# Altium PCB TC264MCU_V4.PcbDoc
Units mil, origin at the board's own origin, x right, y up, seen from the top; angles counter-clockwise.
Board outline 4645.68 x 3342.52 mil, 2 copper layers (Top Layer, Bottom Layer); 80 components, 101 nets, 381 pads, 52 vias.
Unrouted connection lines stored in the file: 62.
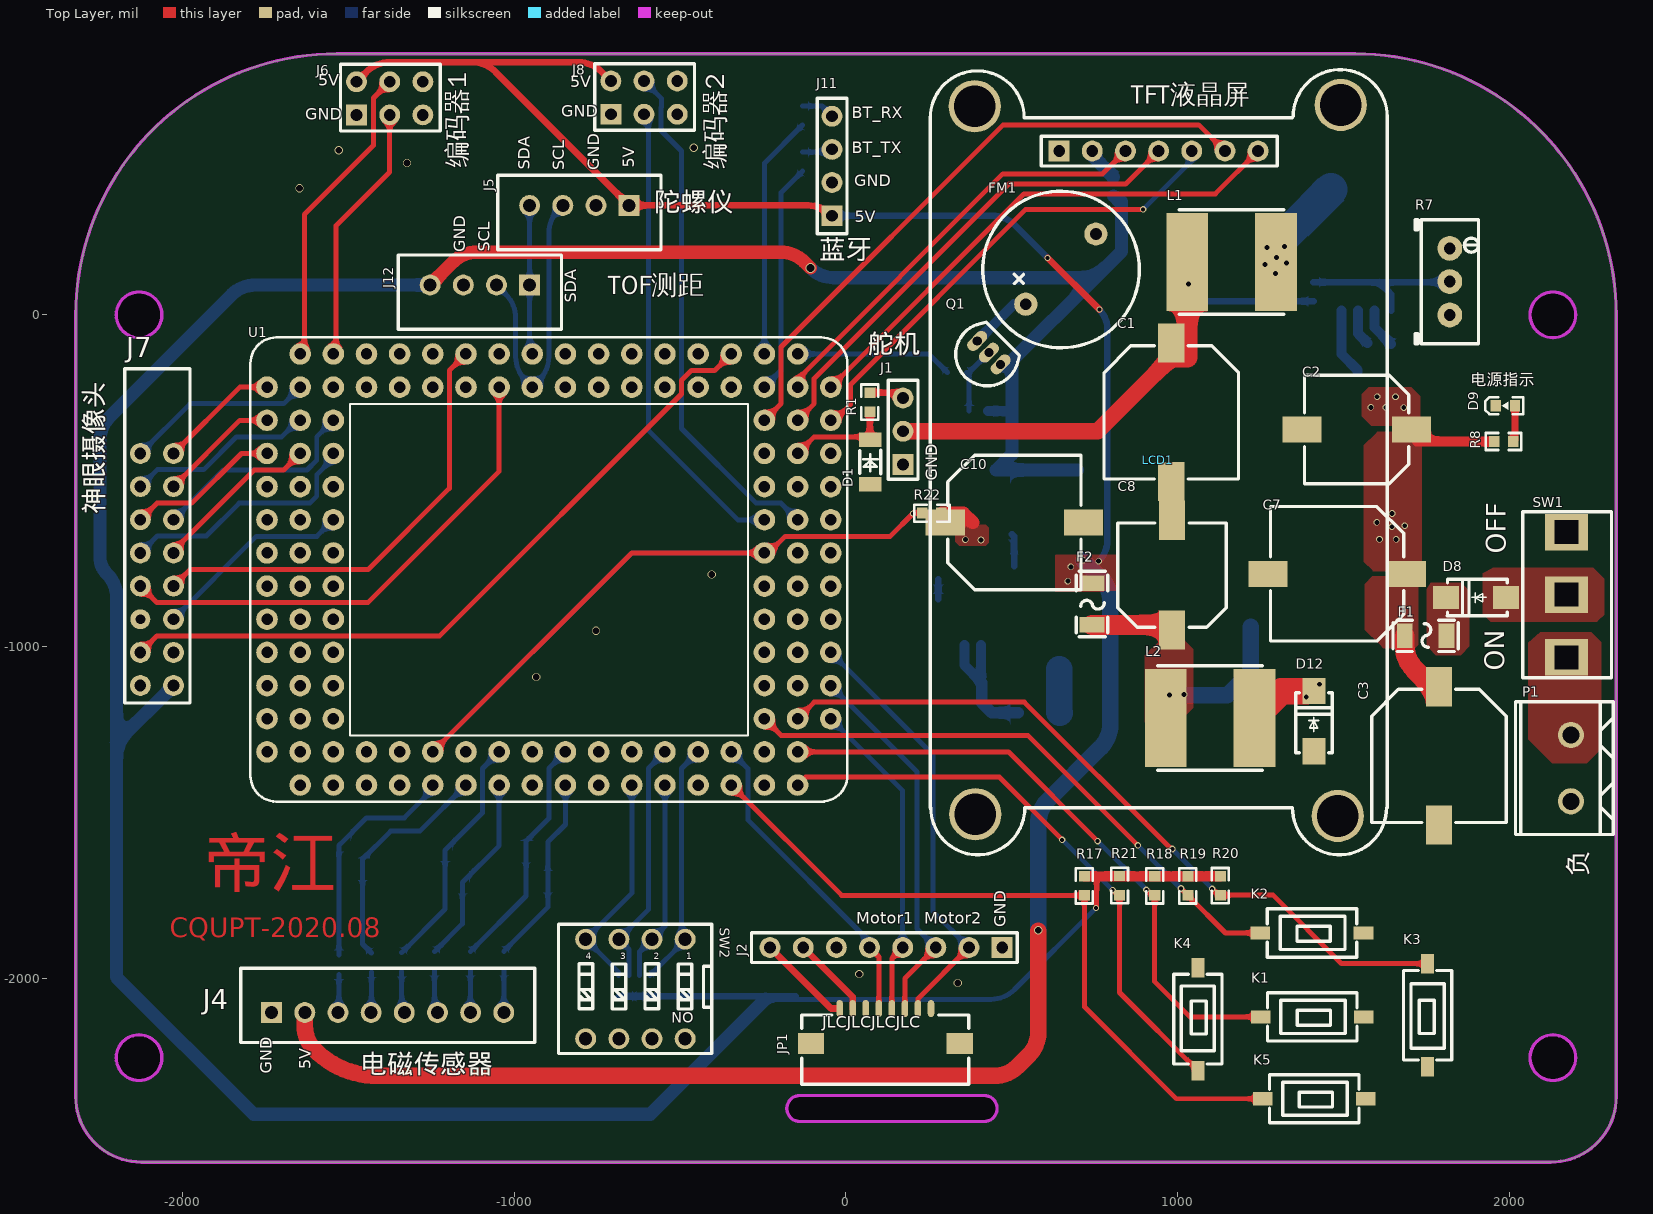
[diagram p0: Top Layer view]
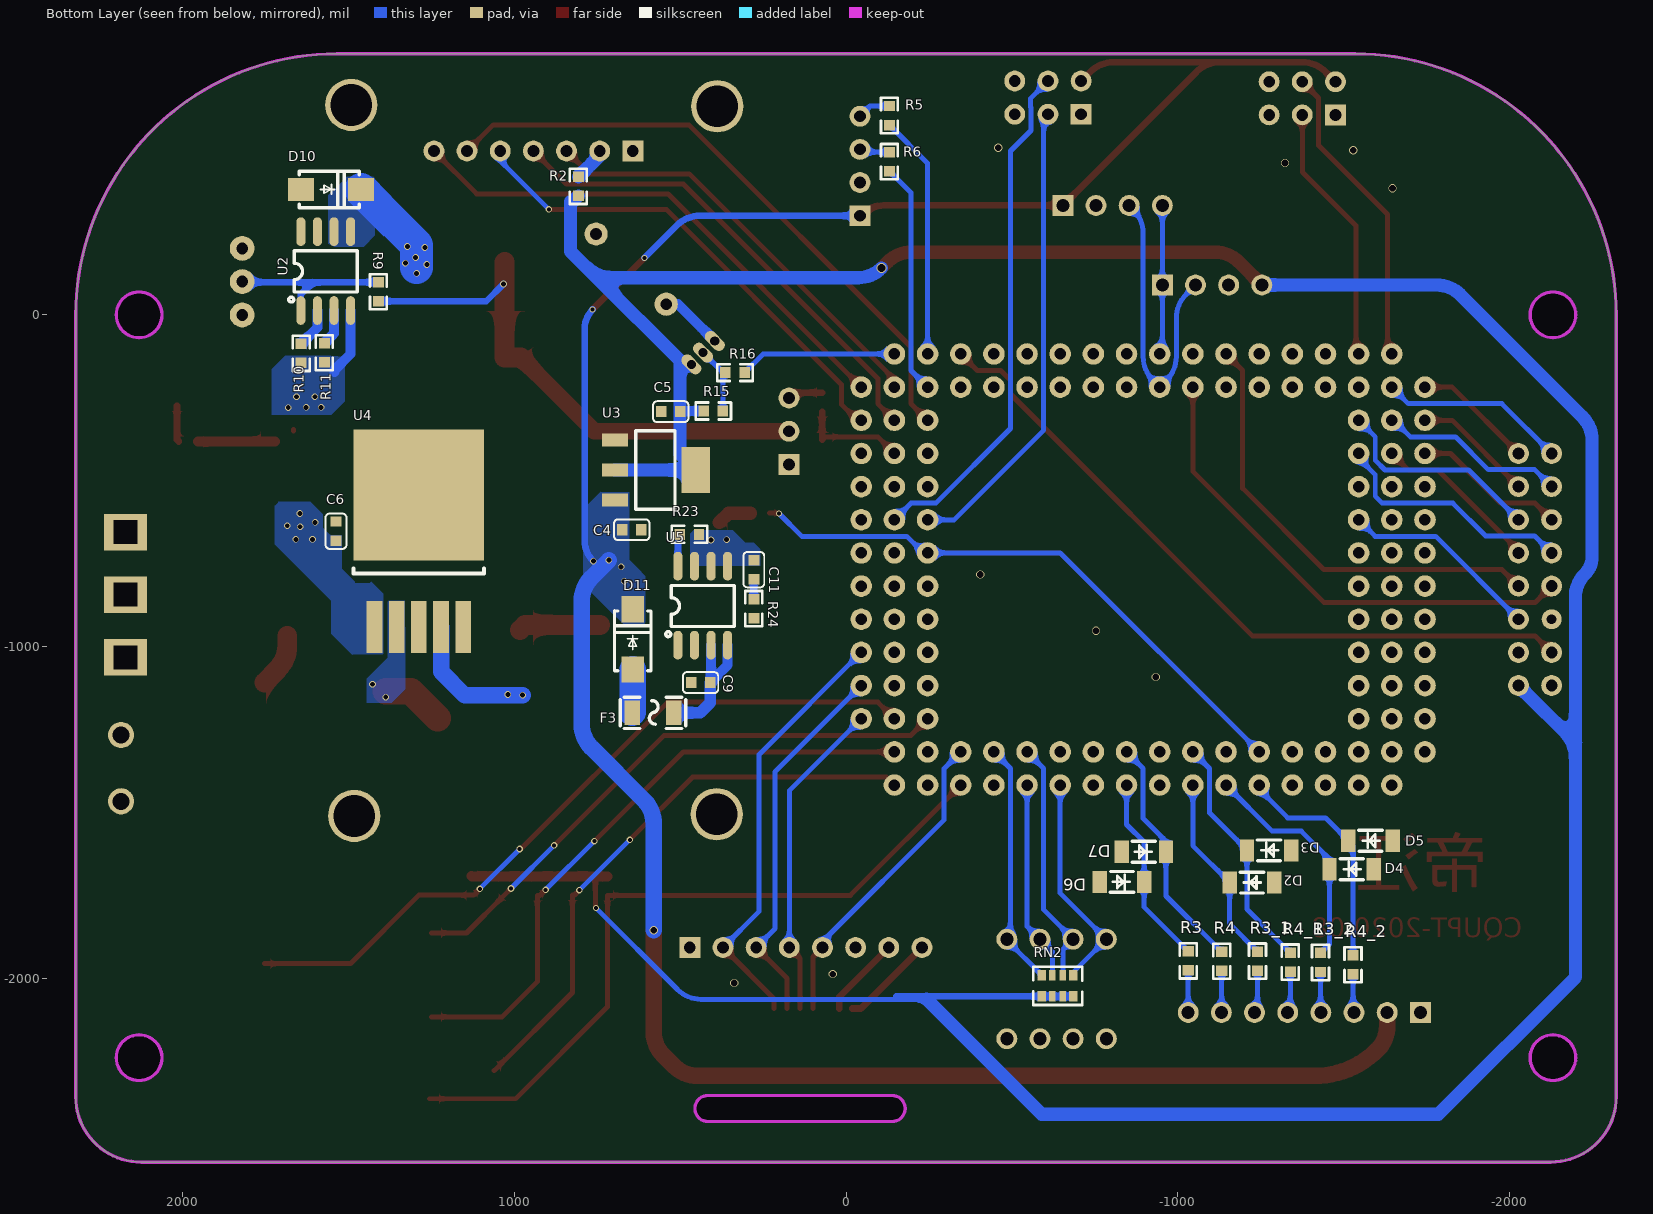
[diagram p1: Bottom Layer view, seen from below]
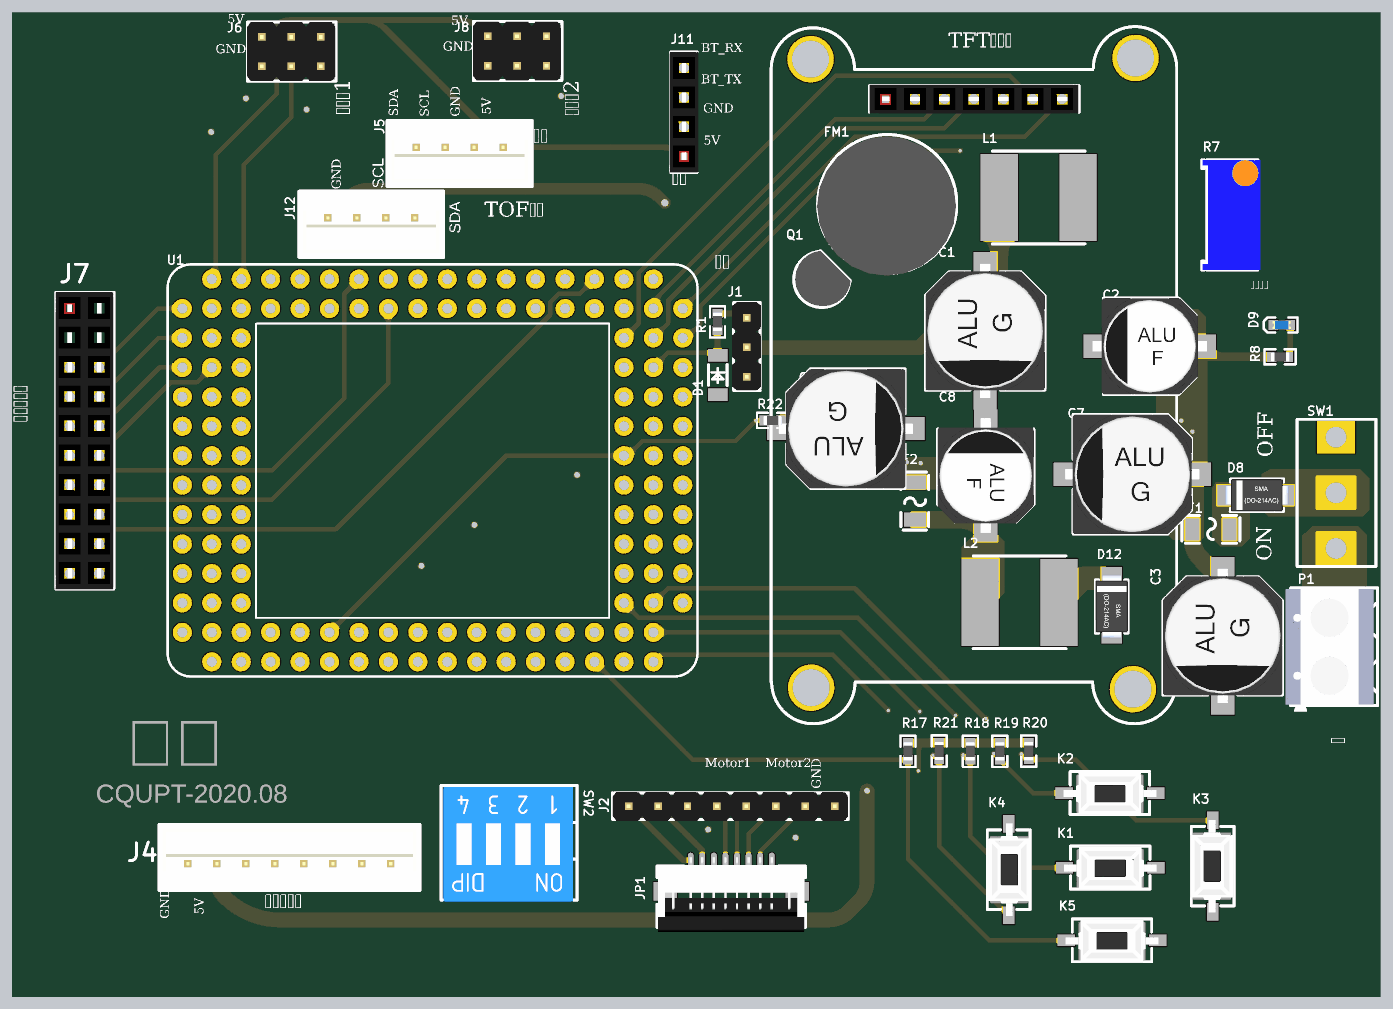
[diagram p2: 3D render of the assembled board from above, using the file's embedded part models]
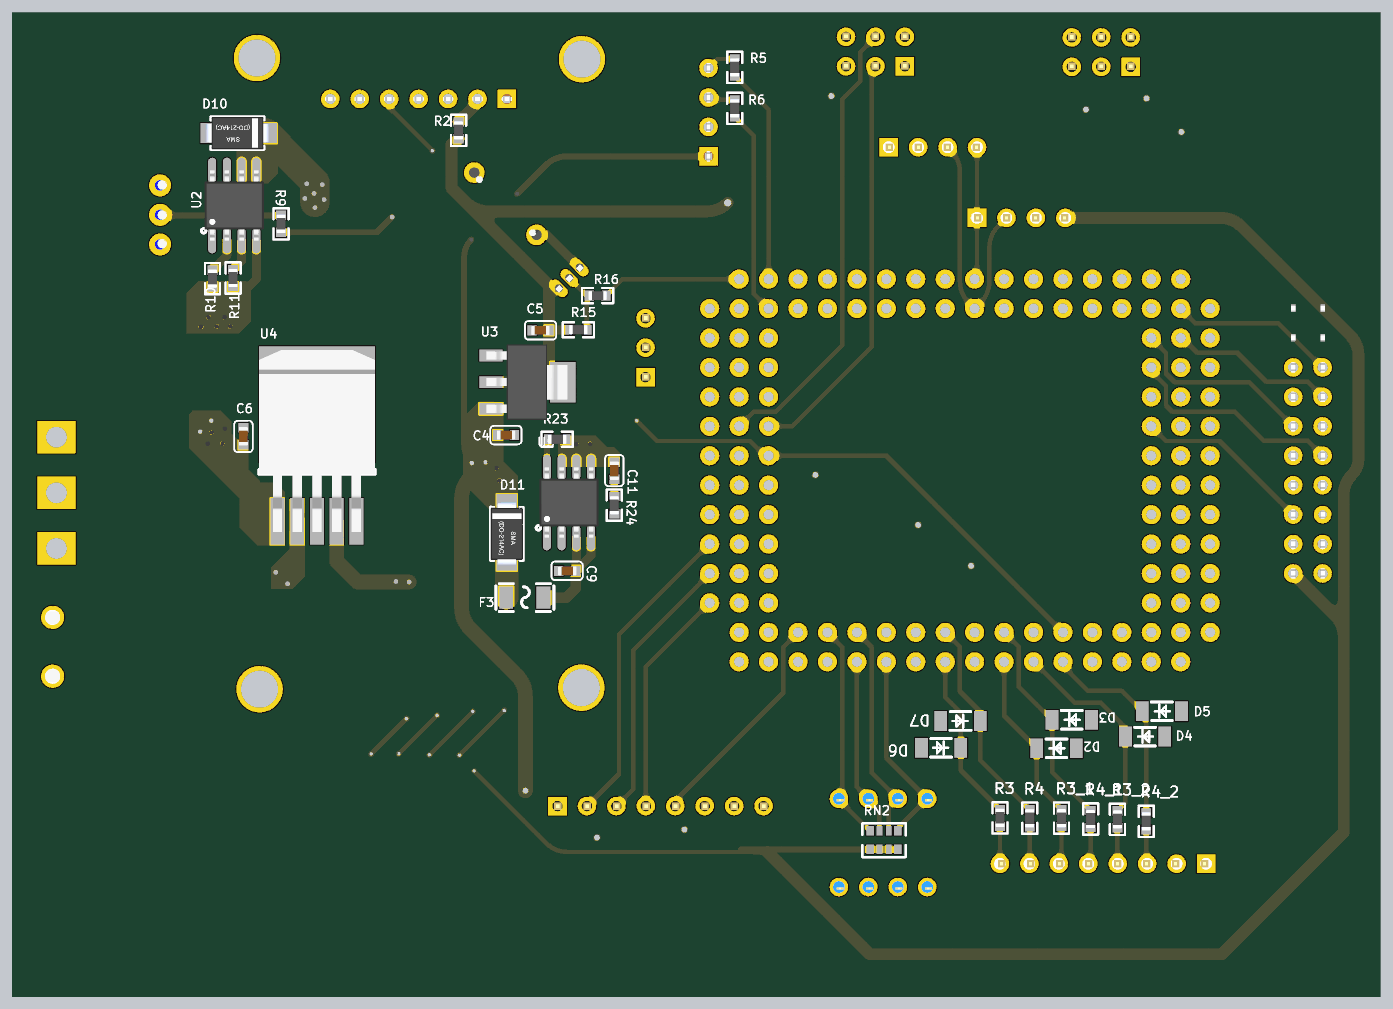
[diagram p3: 3D render of the assembled board from below, using the file's embedded part models]

## Layer stack, top to bottom
Top Solder: solder mask 0.4, Solder Resist, Dk 3.5
Top Layer: signal copper 1.4
Dielectric 1: dielectric 12.6, FR-4, Dk 4.8
Bottom Layer: signal copper 1.4
Bottom Solder: solder mask 0.4, Solder Resist, Dk 3.5

## Board outline
-2322.83,-2358 ccw(c-2125.98,-2358) -2125.98,-2554.85 -2125.98,-2555.12 2126,-2555.12 ccw(c2126,-2358.27) 2322.85,-2358.27 2322.83,-2358.27 2322.83,0 ccw(c1535.43,0) 1535.43,787.4 -1535.43,787.4 ccw(c-1535.43,0) -2322.83,0
cut-out: -139,-2432.74 416.37,-2432.74 ccw(c416.37,-2393.37) 416.37,-2354 -139,-2354 ccw(c-139,-2393.37)
cut-out: 2062.99,0 ccw(c2131.89,0) 2131.89,-68.9 ccw(c2131.89,0) 2200.79,0 ccw(c2131.89,0) 2131.89,68.9 ccw(c2131.89,0)
cut-out: 2062.99,-2240.16 ccw(c2131.89,-2240.16) 2131.89,-2309.06 ccw(c2131.89,-2240.16) 2200.79,-2240.16 ccw(c2131.89,-2240.16) 2131.89,-2171.26 ccw(c2131.89,-2240.16)
cut-out: -2200.79,-2240.16 ccw(c-2131.89,-2240.16) -2131.89,-2309.06 ccw(c-2131.89,-2240.16) -2062.99,-2240.16 ccw(c-2131.89,-2240.16) -2131.89,-2171.26 ccw(c-2131.89,-2240.16)
cut-out: -2200.79,0 ccw(c-2131.89,0) -2131.89,-68.9 ccw(c-2131.89,0) -2062.99,0 ccw(c-2131.89,0) -2131.89,68.9 ccw(c-2131.89,0)

## Design rules (kind name [scope] priority, off if disabled: settings)
Clearance [All] p1: gap=10
PolygonConnect [All] p1: connectstyle=Relief reliefconductorwidth=10 reliefentries=4 polygonreliefangle="90 Angle" airgapwidth=10
RoutingVias [All] p1: holewidth=28 width=50 viastyle="Through Hole" minholewidth=28 minwidth=50 maxholewidth=28 maxwidth=50
SolderMaskExpansion [All] p1: expansion=4
Width [All] p1: maxlimit=500 minlimit=10 preferedwidth=20
30 further rules are at their usual default settings.

## Classes and differential pairs
component class TC264MCU: C1 C2 C3 C4 C5 C6 C7 C8 C9 C10 C11 D1 D2 D3 D4 D5 D7 D8 D9 D10 D11 D12 F1 F2 F3 FM1 J1 J2 J4 J5 J6 J8 J11 JP1 K1 K2 K3 K4 K5 L1 L2 LCD1 P1 Q1 R1 R2 R5 R6 R7 R8 R9 R10 R11 R15 R16 R17 R18 R19 R20 R21 R22 R23 R24 RN2 SW1 SW2 U2 U3 U4 U5

## Components (designator, comment, footprint, x,y, rotation, side; value= is the part's Value field where it differs from the comment)
C1 "470uF/35V" CAPE_SMD_G_10.6 981,-294 r90 top
C2 "220uF/25V" CAPE_SMD_F_8.4 1540,-346 r0 top
C3 "1000uF/35V" CAPE_SMD_G_10.6 1788,-1330 r90 top
C4 "106" CAP_0603 645.74,-648 r180 bottom
C5 "104" CAP_0603 529,-292 r0 bottom
C6 "106" CAP_0603 1538,-652 r90 bottom
C7 "470uF/35V" CAPE_SMD_G_10.6 1481,-781 r0 top
C8 "220uF/25V" CAPE_SMD_F_8.4 983,-785 r270 top
C9 "104" CAP_0603 438,-1109 r180 bottom
C10 "470uF/35V" CAPE_SMD_G_10.6 508.02,-626 r180 top
C11 "106" CAP_0603 278,-769 r270 bottom
D1 "ZMM3V3" LL-34_L3.5-W1.5-RD 73,-444 r270 top
D2 "ZMM3V3" LL-34_L3.5-W1.5-RD -1224,-1712 r180 bottom
D3 "ZMM3V3" LL-34_L3.5-W1.5-RD -1276,-1615 r180 bottom
D4 "ZMM3V3" LL-34_L3.5-W1.5-RD -1524.93,-1672 r180 bottom
D5 "ZMM3V3" LL-34_L3.5-W1.5-RD -1582,-1586 r180 bottom
D6 "ZMM3V3" LL-34_L3.5-W1.5-RD -832,-1710 r0 bottom
D7 "ZMM3V3" LL-34_L3.5-W1.5-RD -898,-1619 r0 bottom
D8 "SS54/5A/40V" DO214_SMA 1809,-852 r0 top
D9 "LED" LED_0603_B 1988.74,-274 r0 top
D10 "SS54/5A/40V" DO214_SMA 1463,378 r0 bottom
D11 "SS54/5A/40V" DO214_SMA 643,-887.9 r270 bottom
D12 "SS54/5A/40V" DO214_SMA 1411,-1134.9 r270 top
F1 "3A/16V" F1206 1748,-968 r180 top
F2 "JK-NSMD100-16V" F1206 742,-872.01 r90 top
F3 "JK-NSMD100-16V" F1206 582,-1200 r0 bottom
FM1 "BUZZER" BUZZ-12*7.5 648,138 r45 top
J1 "Header" "Header 2.54X3" 172,-351 r90 top
J2 "Header" "Header 2.54X8" 121,-1908 r180 top
J4 "Header" XH_2.54_8P -1382,-2104 r0 top
J5 "Header" XH_2.54_4P -804,330 r180 top
J6 "Header" "Header 2.54_2X3" -1376,653 r0 top
J7 "Header" "Header F 2.54_2x10" -2078,-668 r270 top
J8 "Header" "Header 2.54_2X3" -609,655 r0 top
J11 "Header" "Header F 2.54X4" -42,449 r90 top
J12 "Header" XH_2.54_4P -1104,90 r180 top (schematic designator J5)
JP1 "FPC_8pin" FPC_1.0_8P 118.57,-2144.76 r0 top
K1 "TS-Button_2P" SW_SMD_6.1*3.7 1406,-2117 r180 top
K2 "TS-Button_2P" SW_SMD_6.1*3.7 1405,-1864 r180 top
K3 "TS-Button_2P" SW_SMD_6.1*3.7 1754,-2112 r90 top
K4 "TS-Button_2P" SW_SMD_6.1*3.7 1061,-2124 r270 top
K5 "TS-Button_2P" SW_SMD_6.1*3.7 1412,-2364 r180 top
L1 "33uH" IND-SMD_L8.0-W8.0 1162.86,159 r180 top
L2 "33uH" IND-SMD_L8.0-W8.0 1098,-1216 r0 top
LCD1 "LCD" TFT_LCD 943,-447 r0 top
P1 "KF-2P-5.08" KF_2P-5.08 2186,-1367 r90 top
Q1 "2N3906" TO_92A 431,-114 r135 top
R1 "2k" RES_0603#1 72,-263.26 r90 top
R2 "200" RES_0603#1 807,387.26 r90 bottom
R3 "2k" RES_0603#1 -1032,-1948.26 r270 bottom
R3_1 "2k" RES_0603#2 -1241,-1949 r270 top (schematic designator R3)
R3_2 "2k" RES_0603#1 -1431,-1953 r270 bottom (schematic designator R3)
R4 "2k" RES_0603#1 -1133,-1949.26 r270 bottom
R4_1 "2k" RES_0603#2 -1340,-1952 r270 top (schematic designator R4)
R4_2 "2k" RES_0603#1 -1529,-1960 r270 bottom (schematic designator R4)
R5 "1k" RES_0603#1 -131,601 r90 bottom
R6 "1k" RES_0603#1 -131,462 r90 bottom
R7 "2k" RES_POT-3296W 1821,100 r270 top
R8 "2k" RES_0603#1 1983,-382 r180 top
R9 "1k" RES_0603#1 1410,69.74 r90 bottom
R10 "1k" RES_0603#1 1643,-116.26 r90 bottom
R11 "2.7k" RES_0603#1 1573,-114.26 r90 bottom
R15 "10k" RES_0603#1 400,-290 r180 bottom
R16 "1k" RES_0603#1 334.74,-174 r0 bottom
R17 "10k" RES_0603#1 719,-1722 r90 top
R18 "10k" RES_0603#1 931,-1722 r90 top
R19 "10k" RES_0603#1 1031,-1722 r90 top
R20 "10k" RES_0603#1 1129,-1721.26 r90 top
R21 "10k" RES_0603#1 825,-1721 r90 top
R22 "100" RES_0603#1 259,-598 r180 top
R23 "240K" RES_0603#1 472,-662 r180 bottom
R24 "1Ω" RES_0603#1 278,-886 r90 bottom
RN2 "RESW4" RES-ARRAY-SMD_0603-8P-L3.2-W1.6-BL -638.25,-2023.5 r0 bottom
SW1 "PowerSwitch" SW-TH_K3-1260D-K1 2173,-844 r0 top
SW2 "拨码开关4P" VDG/S-04HG-R -635,-2033 r180 top
U1 "TC264CoreBoard" LQ-TC264-SYSVC-S -1646,-1418 r0 top
U2 "AS1015KBT" SOIC-8_150MIL 1569,132 r90 bottom
U3 "AMS1117-3.3" SOT-223_3 575,-468 r0 bottom
U4 "LM2596S-5.0/TR_C340931" TO-263_5 1288.14,-606.35 r90 bottom
U5 "TPS7333QDR" SOIC-8_150MIL 432,-877 r90 bottom

## Footprints (in the part's own frame and the unit in brackets; to place one, negate y for a bottom-side part, rotate by r counter-clockwise, add the part's x,y. Pads: shape width x height; smd on the part's side, far side on the other; paste and mask are expansions set on the pad)
BUZZ-12*7.5 [mil] "外径12mm，脚距7.5mm"
  round 70 hole 35.4: 1(-149.6,0) 2(149.6,0)
  silkscreen extent -237,-237 236,235, body extent -243,-241 229,232, height 339
CAP_0603 [mm]
  rect 0.8x0.85 smd: 1(-0.73,0) 2(0.73,0)
  silkscreen extent -1.36,-0.8 1.34,0.8, body extent -0.8,-0.4 0.8,0.4, height 0.6
CAPE_SMD_F_8.4 [mm] "8X8.3X10.2"
  rect 3x2 smd: 1(4.2,0) 2(-4.2,0)
  silkscreen extent -4,-4.15 4,4.15, body extent -4.95,-4.15 4.95,4.15, height 10.2
CAPE_SMD_G_10.6 [mm] "10X10.3X10.2"
  rect 3x2 smd: 1(5.3,0) 2(-5.3,0)
  silkscreen extent -5.1,-5.15 5.1,5.15, body extent -5.8,-5.15 5.8,5.15, height 10.2
DO214_SMA [mm] "贴片二极管"
  rect 2x1.75 smd: 1(4.6,0) 2(0,0)
  silkscreen extent 0.11,-1.4 4.71,1.4, body extent -0.34,-1.4 5.16,1.4, height 2.6
F1206 [mm]
  rect 1.2x1.9 smd: 1(-1.6,0) 2(1.6,0)
  silkscreen extent -2.5,-1.2 2.5,1.2
FPC_1.0_8P [mm]
  oval 0.5x1.3 smd: 1(-3.5,1.34) 2(-2.5,1.34) 3(-1.5,1.34) 4(-0.5,1.34) 5(0.5,1.34) 6(1.5,1.34) 7(2.5,1.34) 8(3.5,1.34)
  rect 2x1.6 smd: 9(-5.7,-1.34) 10(5.7,-1.34)
  silkscreen extent -6.4,-4.46 6.4,0.84, body extent -6.3,-4.86 6.3,1.64, height 2.2
"Header 2.54_2X3" [mm]
  rect 1.6x1.6 hole 0.9: 1(-2.54,-1.27)
  round 1.6 hole 0.9: 2(0,-1.27) 3(2.54,-1.27) 4(2.54,1.27) 5(0,1.27) 6(-2.54,1.27)
  silkscreen extent -3.77,-2.5 3.86,2.6, body extent -3.81,-2.5 3.81,2.58, height 8.6
"Header 2.54X3" [mm]
  rect 1.6x1.6 hole 0.9: 1(-2.54,0)
  round 1.6 hole 0.9: 2(0,0) 3(2.54,0)
  silkscreen extent -3.68,-1.14 3.9,1.14, body extent -3.68,-1.23 3.94,1.27, height 8.3
"Header 2.54X8" [mm]
  rect 1.6x1.6 hole 0.9: 1(-8.89,0)
  round 1.6 hole 0.9: 2(-6.35,0) 3(-3.81,0) 4(-1.27,0) 5(1.27,0) 6(3.81,0) 7(6.35,0) 8(8.89,0)
  silkscreen extent -10.03,-1.14 10.31,1.14, body extent -10.03,-1.23 10.29,1.27, height 8.3
"Header F 2.54_2x10" [mm]
  rect 0x0 all layers, no hole: 1(-11.43,-1.27)
  round 0 all layers, no hole: 2(-8.89,-1.27) 8(6.35,-1.27) 19(-8.89,1.27) 20(-11.43,1.27)
  round 1.6 hole 0.9: 3(-6.35,-1.27) 4(-3.81,-1.27) 5(-1.27,-1.27) 6(1.27,-1.27) 7(3.81,-1.27) 9(8.89,-1.27) 10(11.43,-1.27) 11(11.43,1.27) 12(8.89,1.27) 13(6.35,1.27) 14(3.81,1.27) 15(1.27,1.27) 16(-1.27,1.27) 17(-3.81,1.27) 18(-6.35,1.27)
  silkscreen extent -12.83,-2.47 12.77,2.53, body extent -12.85,-2.52 12.8,2.48, height 8.6
"Header F 2.54X4" [mm]
  rect 1.6x1.6 hole 0.9: 1(-3.81,0)
  round 1.6 hole 0.9: 2(-1.27,0) 3(1.27,0) 4(3.81,0)
  silkscreen extent -5.2,-1.14 5.19,1.14, body extent -5.21,-1.25 5.21,1.25, height 8.6
IND-SMD_L8.0-W8.0 [mm]
  rect 3.2x7.5 smd: 1(-3.4,0) 2(3.4,0)
  silkscreen extent -4,-4 4,4
KF_2P-5.08 [mm] "WJ500V-5.08-2P"
  round 2 hole 1.3: 1(-2.54,0) 2(2.54,0)
  silkscreen extent -5.08,-3.25 5.08,4.24, body extent -5.6,-2.91 5,4.69, height 10.1
LED_0603_B [mm]
  rect 0.8x0.85 smd: A(0.73,0) C(-0.73,0)
  silkscreen extent -1.55,-0.65 1.35,0.65, body extent -0.81,-0.4 0.81,0.4, height 0.6
LL-34_L3.5-W1.5-RD [mm]
  rect 1.1x1.7 smd: 1(-1.7,0) 2(1.7,0)
  silkscreen extent -0.9,-0.8 0.9,0.8
LQ-TC264-SYSVC-S [mm] "单片机核心板封装库"
  round 1.65 hole 0.88: 1(5.08,0) 2(5.08,2.54) 3(7.62,0) 4(7.62,2.54) 5(10.16,0) 6(10.16,2.54) 7(12.7,0) 8(12.7,2.54) 9(15.24,0) 10(15.24,2.54) 11(17.78,0) 12(17.78,2.54) 13(20.32,0) 14(20.32,2.54) 15(22.86,0) 16(22.86,2.54) 17(25.4,0) 18(25.4,2.54) 19(27.94,0) 20(27.94,2.54) 21(30.48,0) 22(30.48,2.54) 23(33.02,0) 24(33.02,2.54) 25(35.56,0) 26(35.56,2.54) 27(38.1,0) 28(38.1,2.54) 30(38.1,5.08) 31(35.56,5.08) 33(38.1,7.62) 34(35.56,7.62) 36(38.1,10.16) 37(35.56,10.16) 39(38.1,12.7) 40(35.56,12.7) 42(38.1,15.24) 43(35.56,15.24) 45(38.1,17.78) 46(35.56,17.78) 48(38.1,20.32) 49(35.56,20.32) 51(38.1,22.86) 52(35.56,22.86) 54(38.1,25.4) 55(35.56,25.4) 57(38.1,27.94) 58(35.56,27.94) 60(38.1,30.48) 61(35.56,30.48) 62(38.1,33.02) 63(35.56,33.02) 64(33.02,33.02) 65(33.02,30.48) 66(30.48,33.02) 67(30.48,30.48) 68(27.94,33.02) 69(27.94,30.48) 70(25.4,33.02) 71(25.4,30.48) 72(22.86,33.02) 73(22.86,30.48) 74(20.32,33.02) 75(20.32,30.48) 76(17.78,33.02) 77(17.78,30.48) 78(15.24,33.02) 79(15.24,30.48) 80(12.7,33.02) 81(12.7,30.48) 82(10.16,33.02) 83(10.16,30.48) 84(7.62,33.02) 85(7.62,30.48) 86(5.08,33.02) 87(5.08,30.48) 88(2.54,33.02) 89(0,33.02) 90(2.54,30.48) 91(0,30.48) 93(2.54,27.94) 94(0,27.94) 96(2.54,25.4) 97(0,25.4) 99(2.54,22.86) 100(0,22.86) 102(2.54,20.32) 103(0,20.32) 105(2.54,17.78) 106(0,17.78) 108(2.54,15.24) 109(0,15.24) 111(2.54,12.7) 112(0,12.7) 114(2.54,10.16) 115(0,10.16) 117(2.54,7.62) 118(0,7.62) 120(2.54,5.08) 121(0,5.08) 123(2.54,2.54) 124(0,2.54) 126(2.54,0) 127(0,0)